# KiCad board SparkFun_BMV080_panelized.kicad_pcb (continued)
## Placement (name value [footprint] x y rotation side) (continued)
kibuzzard-66BFC108#14  G***  [kibuzzard-66BFC108]  87.71 37.8 90 bottom
kibuzzard-66BFC108#15  G***  [kibuzzard-66BFC108]  87.71 51 90 bottom
kibuzzard-66BFC108#16  G***  [kibuzzard-66BFC108]  38.45 64.2 90 bottom
kibuzzard-66BFC108#17  G***  [kibuzzard-66BFC108]  63.08 64.2 90 bottom
kibuzzard-66BFC108#18  G***  [kibuzzard-66BFC108]  38.45 90.6 90 bottom
kibuzzard-66BFC108#19  G***  [kibuzzard-66BFC108]  38.45 103.8 90 bottom
kibuzzard-66BFC108#20  G***  [kibuzzard-66BFC108]  38.45 117 90 bottom
kibuzzard-66BFC108#21  G***  [kibuzzard-66BFC108]  63.08 24.6 90 bottom
kibuzzard-66BFC108#22  G***  [kibuzzard-66BFC108]  38.45 77.4 90 bottom
kibuzzard-66BFC108#23  G***  [kibuzzard-66BFC108]  63.08 77.4 90 bottom
kibuzzard-66BFC108#24  G***  [kibuzzard-66BFC108]  63.08 51 90 bottom
kibuzzard-66BFC108#25  G***  [kibuzzard-66BFC108]  63.08 103.8 90 bottom
kibuzzard-66BFC108#26  G***  [kibuzzard-66BFC108]  87.71 11.4 90 bottom
kibuzzard-66BFC108#27  G***  [kibuzzard-66BFC108]  87.71 24.6 90 bottom
kibuzzard-66BFC108#28  G***  [kibuzzard-66BFC108]  63.08 11.4 90 bottom
kibuzzard-66BFC108#29  G***  [kibuzzard-66BFC108]  63.08 117 90 bottom
kibuzzard-66BFC108#30  G***  [kibuzzard-66BFC108]  38.45 51 90 bottom
kibuzzard-66BFC108#31  G***  [kibuzzard-66BFC108]  63.08 90.6 90 bottom
kibuzzard-66BFC108#32  G***  [kibuzzard-66BFC108]  87.71 117 90 bottom
kibuzzard-66BFC108#33  G***  [kibuzzard-66BFC108]  87.71 64.2 90 bottom
kibuzzard-66BFC108#34  G***  [kibuzzard-66BFC108]  87.71 103.8 90 bottom
kibuzzard-66BFC108#35  G***  [kibuzzard-66BFC108]  112.34 77.4 90 bottom
kibuzzard-66BFC108#36  G***  [kibuzzard-66BFC108]  136.97 64.2 90 bottom
kibuzzard-66BFC108#37  G***  [kibuzzard-66BFC108]  136.97 90.6 90 bottom
kibuzzard-66BFC108#38  G***  [kibuzzard-66BFC108]  112.34 90.6 90 bottom
kibuzzard-66BFC108#39  G***  [kibuzzard-66BFC108]  112.34 24.6 90 bottom
kibuzzard-66BFC108#40  G***  [kibuzzard-66BFC108]  112.34 64.2 90 bottom
kibuzzard-66BFC108#41  G***  [kibuzzard-66BFC108]  112.34 103.8 90 bottom
kibuzzard-66BFC108#42  G***  [kibuzzard-66BFC108]  112.34 117 90 bottom
kibuzzard-66BFC108#43  G***  [kibuzzard-66BFC108]  136.97 11.4 90 bottom
kibuzzard-66BFC108#44  G***  [kibuzzard-66BFC108]  87.71 90.6 90 bottom
kibuzzard-66BFC108#45  G***  [kibuzzard-66BFC108]  136.97 24.6 90 bottom
kibuzzard-66BFC108#46  G***  [kibuzzard-66BFC108]  112.34 11.4 90 bottom
kibuzzard-66BFC108#47  G***  [kibuzzard-66BFC108]  87.71 77.4 90 bottom
kibuzzard-66BFC108#48  G***  [kibuzzard-66BFC108]  112.34 37.8 90 bottom
kibuzzard-66BFC108#49  G***  [kibuzzard-66BFC108]  112.34 51 90 bottom
kibuzzard-66BFC108#50  G***  [kibuzzard-66BFC108]  136.97 37.8 90 bottom
kibuzzard-66BFC108#51  G***  [kibuzzard-66BFC108]  136.97 51 90 bottom
kibuzzard-66BFC108#52  G***  [kibuzzard-66BFC108]  136.97 77.4 90 bottom
kibuzzard-66BFC108#53  G***  [kibuzzard-66BFC108]  136.97 103.8 90 bottom
kibuzzard-66BFC108#54  G***  [kibuzzard-66BFC108]  136.97 117 90 bottom
kibuzzard-66BFC288  G***  [kibuzzard-66BFC288]  136.97 116.92 90 top
kibuzzard-66BFC288#2  G***  [kibuzzard-66BFC288]  136.97 77.32 90 top
kibuzzard-66BFC288#3  G***  [kibuzzard-66BFC288]  136.97 90.52 90 top
kibuzzard-66BFC288#4  G***  [kibuzzard-66BFC288]  136.97 103.72 90 top
kibuzzard-66BFC288#5  G***  [kibuzzard-66BFC288]  136.97 24.52 90 top
kibuzzard-66BFC288#6  G***  [kibuzzard-66BFC288]  136.97 37.72 90 top
kibuzzard-66BFC288#7  G***  [kibuzzard-66BFC288]  136.97 50.92 90 top
kibuzzard-66BFC288#8  G***  [kibuzzard-66BFC288]  136.97 11.32 90 top
kibuzzard-66BFC288#9  G***  [kibuzzard-66BFC288]  136.97 64.12 90 top
kibuzzard-66BFC288#10  G***  [kibuzzard-66BFC288]  13.82 90.52 90 top
kibuzzard-66BFC288#11  G***  [kibuzzard-66BFC288]  13.82 116.92 90 top
kibuzzard-66BFC288#12  G***  [kibuzzard-66BFC288]  38.45 64.12 90 top
kibuzzard-66BFC288#13  G***  [kibuzzard-66BFC288]  13.82 24.52 90 top
kibuzzard-66BFC288#14  G***  [kibuzzard-66BFC288]  13.82 50.92 90 top
kibuzzard-66BFC288#15  G***  [kibuzzard-66BFC288]  13.82 77.32 90 top
kibuzzard-66BFC288#16  G***  [kibuzzard-66BFC288]  13.82 37.72 90 top
kibuzzard-66BFC288#17  G***  [kibuzzard-66BFC288]  13.82 64.12 90 top
kibuzzard-66BFC288#18  G***  [kibuzzard-66BFC288]  13.82 103.72 90 top
kibuzzard-66BFC288#19  G***  [kibuzzard-66BFC288]  38.45 24.52 90 top
kibuzzard-66BFC288#20  G***  [kibuzzard-66BFC288]  38.45 37.72 90 top
kibuzzard-66BFC288#21  G***  [kibuzzard-66BFC288]  38.45 50.92 90 top
kibuzzard-66BFC288#22  G***  [kibuzzard-66BFC288]  38.45 11.32 90 top
kibuzzard-66BFC288#23  G***  [kibuzzard-66BFC288]  63.08 116.92 90 top
kibuzzard-66BFC288#24  G***  [kibuzzard-66BFC288]  87.71 37.72 90 top
kibuzzard-66BFC288#25  G***  [kibuzzard-66BFC288]  87.71 11.32 90 top
kibuzzard-66BFC288#26  G***  [kibuzzard-66BFC288]  87.71 90.52 90 top
kibuzzard-66BFC288#27  G***  [kibuzzard-66BFC288]  38.45 77.32 90 top
kibuzzard-66BFC288#28  G***  [kibuzzard-66BFC288]  87.71 77.32 90 top
kibuzzard-66BFC288#29  G***  [kibuzzard-66BFC288]  112.34 11.32 90 top
kibuzzard-66BFC288#30  G***  [kibuzzard-66BFC288]  63.08 11.32 90 top
kibuzzard-66BFC288#31  G***  [kibuzzard-66BFC288]  63.08 90.52 90 top
kibuzzard-66BFC288#32  G***  [kibuzzard-66BFC288]  38.45 103.72 90 top
kibuzzard-66BFC288#33  G***  [kibuzzard-66BFC288]  63.08 37.72 90 top
kibuzzard-66BFC288#34  G***  [kibuzzard-66BFC288]  63.08 50.92 90 top
kibuzzard-66BFC288#35  G***  [kibuzzard-66BFC288]  38.45 90.52 90 top
kibuzzard-66BFC288#36  G***  [kibuzzard-66BFC288]  38.45 116.92 90 top
kibuzzard-66BFC288#37  G***  [kibuzzard-66BFC288]  63.08 64.12 90 top
kibuzzard-66BFC288#38  G***  [kibuzzard-66BFC288]  63.08 103.72 90 top
kibuzzard-66BFC288#39  G***  [kibuzzard-66BFC288]  63.08 24.52 90 top
kibuzzard-66BFC288#40  G***  [kibuzzard-66BFC288]  63.08 77.32 90 top
kibuzzard-66BFC288#41  G***  [kibuzzard-66BFC288]  87.71 24.52 90 top
kibuzzard-66BFC288#42  G***  [kibuzzard-66BFC288]  87.71 50.92 90 top
kibuzzard-66BFC288#43  G***  [kibuzzard-66BFC288]  87.71 64.12 90 top
kibuzzard-66BFC288#44  G***  [kibuzzard-66BFC288]  87.71 103.72 90 top
kibuzzard-66BFC288#45  G***  [kibuzzard-66BFC288]  87.71 116.92 90 top
kibuzzard-66BFC288#46  G***  [kibuzzard-66BFC288]  112.34 90.52 90 top
kibuzzard-66BFC288#47  G***  [kibuzzard-66BFC288]  112.34 37.72 90 top
kibuzzard-66BFC288#48  G***  [kibuzzard-66BFC288]  112.34 64.12 90 top
kibuzzard-66BFC288#49  G***  [kibuzzard-66BFC288]  112.34 24.52 90 top
kibuzzard-66BFC288#50  G***  [kibuzzard-66BFC288]  112.34 103.72 90 top
kibuzzard-66BFC288#51  G***  [kibuzzard-66BFC288]  112.34 116.92 90 top
kibuzzard-66BFC288#52  G***  [kibuzzard-66BFC288]  112.34 50.92 90 top
kibuzzard-66BFC288#53  G***  [kibuzzard-66BFC288]  112.34 77.32 90 top
kibuzzard-66BFC288#54  G***  [kibuzzard-66BFC288]  13.82 11.32 90 top
kibuzzard-66C3B2A1  G***  [kibuzzard-66C3B2A1]  18.71 18.63 180 bottom
kibuzzard-66C3B2A1#2  G***  [kibuzzard-66C3B2A1]  18.71 45.03 180 bottom
kibuzzard-66C3B2A1#3  G***  [kibuzzard-66C3B2A1]  18.71 31.83 180 bottom
kibuzzard-66C3B2A1#4  G***  [kibuzzard-66C3B2A1]  18.71 97.83 180 bottom
kibuzzard-66C3B2A1#5  G***  [kibuzzard-66C3B2A1]  18.71 111.03 180 bottom
kibuzzard-66C3B2A1#6  G***  [kibuzzard-66C3B2A1]  43.34 18.63 180 bottom
kibuzzard-66C3B2A1#7  G***  [kibuzzard-66C3B2A1]  43.34 31.83 180 bottom
kibuzzard-66C3B2A1#8  G***  [kibuzzard-66C3B2A1]  18.71 124.23 180 bottom
kibuzzard-66C3B2A1#9  G***  [kibuzzard-66C3B2A1]  43.34 45.03 180 bottom
kibuzzard-66C3B2A1#10  G***  [kibuzzard-66C3B2A1]  18.71 58.23 180 bottom
kibuzzard-66C3B2A1#11  G***  [kibuzzard-66C3B2A1]  18.71 71.43 180 bottom
kibuzzard-66C3B2A1#12  G***  [kibuzzard-66C3B2A1]  18.71 84.63 180 bottom
kibuzzard-66C3B2A1#13  G***  [kibuzzard-66C3B2A1]  43.34 58.23 180 bottom
kibuzzard-66C3B2A1#14  G***  [kibuzzard-66C3B2A1]  92.6 58.23 180 bottom
kibuzzard-66C3B2A1#15  G***  [kibuzzard-66C3B2A1]  43.34 124.23 180 bottom
kibuzzard-66C3B2A1#16  G***  [kibuzzard-66C3B2A1]  43.34 97.83 180 bottom
kibuzzard-66C3B2A1#17  G***  [kibuzzard-66C3B2A1]  67.97 45.03 180 bottom
kibuzzard-66C3B2A1#18  G***  [kibuzzard-66C3B2A1]  67.97 18.63 180 bottom
kibuzzard-66C3B2A1#19  G***  [kibuzzard-66C3B2A1]  43.34 84.63 180 bottom
kibuzzard-66C3B2A1#20  G***  [kibuzzard-66C3B2A1]  67.97 58.23 180 bottom
kibuzzard-66C3B2A1#21  G***  [kibuzzard-66C3B2A1]  67.97 124.23 180 bottom
kibuzzard-66C3B2A1#22  G***  [kibuzzard-66C3B2A1]  67.97 31.83 180 bottom
kibuzzard-66C3B2A1#23  G***  [kibuzzard-66C3B2A1]  67.97 71.43 180 bottom
kibuzzard-66C3B2A1#24  G***  [kibuzzard-66C3B2A1]  67.97 84.63 180 bottom
kibuzzard-66C3B2A1#25  G***  [kibuzzard-66C3B2A1]  92.6 31.83 180 bottom
kibuzzard-66C3B2A1#26  G***  [kibuzzard-66C3B2A1]  92.6 45.03 180 bottom
kibuzzard-66C3B2A1#27  G***  [kibuzzard-66C3B2A1]  67.97 97.83 180 bottom
kibuzzard-66C3B2A1#28  G***  [kibuzzard-66C3B2A1]  43.34 111.03 180 bottom
kibuzzard-66C3B2A1#29  G***  [kibuzzard-66C3B2A1]  92.6 18.63 180 bottom
kibuzzard-66C3B2A1#30  G***  [kibuzzard-66C3B2A1]  43.34 71.43 180 bottom
kibuzzard-66C3B2A1#31  G***  [kibuzzard-66C3B2A1]  67.97 111.03 180 bottom
kibuzzard-66C3B2A1#32  G***  [kibuzzard-66C3B2A1]  117.23 18.63 180 bottom
kibuzzard-66C3B2A1#33  G***  [kibuzzard-66C3B2A1]  141.86 58.23 180 bottom
kibuzzard-66C3B2A1#34  G***  [kibuzzard-66C3B2A1]  141.86 45.03 180 bottom
kibuzzard-66C3B2A1#35  G***  [kibuzzard-66C3B2A1]  141.86 97.83 180 bottom
kibuzzard-66C3B2A1#36  G***  [kibuzzard-66C3B2A1]  117.23 97.83 180 bottom
kibuzzard-66C3B2A1#37  G***  [kibuzzard-66C3B2A1]  92.6 97.83 180 bottom
kibuzzard-66C3B2A1#38  G***  [kibuzzard-66C3B2A1]  117.23 31.83 180 bottom
kibuzzard-66C3B2A1#39  G***  [kibuzzard-66C3B2A1]  92.6 111.03 180 bottom
kibuzzard-66C3B2A1#40  G***  [kibuzzard-66C3B2A1]  92.6 84.63 180 bottom
kibuzzard-66C3B2A1#41  G***  [kibuzzard-66C3B2A1]  117.23 58.23 180 bottom
kibuzzard-66C3B2A1#42  G***  [kibuzzard-66C3B2A1]  117.23 45.03 180 bottom
kibuzzard-66C3B2A1#43  G***  [kibuzzard-66C3B2A1]  117.23 71.43 180 bottom
kibuzzard-66C3B2A1#44  G***  [kibuzzard-66C3B2A1]  117.23 84.63 180 bottom
kibuzzard-66C3B2A1#45  G***  [kibuzzard-66C3B2A1]  117.23 124.23 180 bottom
kibuzzard-66C3B2A1#46  G***  [kibuzzard-66C3B2A1]  117.23 111.03 180 bottom
kibuzzard-66C3B2A1#47  G***  [kibuzzard-66C3B2A1]  141.86 18.63 180 bottom
kibuzzard-66C3B2A1#48  G***  [kibuzzard-66C3B2A1]  92.6 124.23 180 bottom
kibuzzard-66C3B2A1#49  G***  [kibuzzard-66C3B2A1]  92.6 71.43 180 bottom
kibuzzard-66C3B2A1#50  G***  [kibuzzard-66C3B2A1]  141.86 31.83 180 bottom
kibuzzard-66C3B2A1#51  G***  [kibuzzard-66C3B2A1]  141.86 71.43 180 bottom
kibuzzard-66C3B2A1#52  G***  [kibuzzard-66C3B2A1]  141.86 84.63 180 bottom
kibuzzard-66C3B2A1#53  G***  [kibuzzard-66C3B2A1]  141.86 124.23 180 bottom
kibuzzard-66C3B2A1#54  G***  [kibuzzard-66C3B2A1]  141.86 111.03 180 bottom
kibuzzard-66C3B2DA  G***  [kibuzzard-66C3B2DA]  15.49 15.32 180 bottom
kibuzzard-66C3B2DA#2  G***  [kibuzzard-66C3B2DA]  15.49 41.72 180 bottom
kibuzzard-66C3B2DA#3  G***  [kibuzzard-66C3B2DA]  15.49 54.92 180 bottom
kibuzzard-66C3B2DA#4  G***  [kibuzzard-66C3B2DA]  40.12 54.92 180 bottom
kibuzzard-66C3B2DA#5  G***  [kibuzzard-66C3B2DA]  15.49 28.52 180 bottom
kibuzzard-66C3B2DA#6  G***  [kibuzzard-66C3B2DA]  15.49 68.12 180 bottom
kibuzzard-66C3B2DA#7  G***  [kibuzzard-66C3B2DA]  15.49 81.32 180 bottom
kibuzzard-66C3B2DA#8  G***  [kibuzzard-66C3B2DA]  15.49 94.52 180 bottom
kibuzzard-66C3B2DA#9  G***  [kibuzzard-66C3B2DA]  15.49 107.72 180 bottom
kibuzzard-66C3B2DA#10  G***  [kibuzzard-66C3B2DA]  15.49 120.92 180 bottom
kibuzzard-66C3B2DA#11  G***  [kibuzzard-66C3B2DA]  40.12 15.32 180 bottom
kibuzzard-66C3B2DA#12  G***  [kibuzzard-66C3B2DA]  40.12 28.52 180 bottom
kibuzzard-66C3B2DA#13  G***  [kibuzzard-66C3B2DA]  40.12 41.72 180 bottom
kibuzzard-66C3B2DA#14  G***  [kibuzzard-66C3B2DA]  64.75 107.72 180 bottom
kibuzzard-66C3B2DA#15  G***  [kibuzzard-66C3B2DA]  89.38 68.12 180 bottom
kibuzzard-66C3B2DA#16  G***  [kibuzzard-66C3B2DA]  64.75 94.52 180 bottom
kibuzzard-66C3B2DA#17  G***  [kibuzzard-66C3B2DA]  89.38 28.52 180 bottom
kibuzzard-66C3B2DA#18  G***  [kibuzzard-66C3B2DA]  64.75 28.52 180 bottom
kibuzzard-66C3B2DA#19  G***  [kibuzzard-66C3B2DA]  40.12 94.52 180 bottom
kibuzzard-66C3B2DA#20  G***  [kibuzzard-66C3B2DA]  64.75 54.92 180 bottom
kibuzzard-66C3B2DA#21  G***  [kibuzzard-66C3B2DA]  64.75 120.92 180 bottom
kibuzzard-66C3B2DA#22  G***  [kibuzzard-66C3B2DA]  40.12 68.12 180 bottom
kibuzzard-66C3B2DA#23  G***  [kibuzzard-66C3B2DA]  40.12 81.32 180 bottom
kibuzzard-66C3B2DA#24  G***  [kibuzzard-66C3B2DA]  64.75 15.32 180 bottom
kibuzzard-66C3B2DA#25  G***  [kibuzzard-66C3B2DA]  89.38 15.32 180 bottom
kibuzzard-66C3B2DA#26  G***  [kibuzzard-66C3B2DA]  89.38 54.92 180 bottom
kibuzzard-66C3B2DA#27  G***  [kibuzzard-66C3B2DA]  64.75 68.12 180 bottom
kibuzzard-66C3B2DA#28  G***  [kibuzzard-66C3B2DA]  40.12 107.72 180 bottom
kibuzzard-66C3B2DA#29  G***  [kibuzzard-66C3B2DA]  40.12 120.92 180 bottom
kibuzzard-66C3B2DA#30  G***  [kibuzzard-66C3B2DA]  64.75 81.32 180 bottom
kibuzzard-66C3B2DA#31  G***  [kibuzzard-66C3B2DA]  64.75 41.72 180 bottom
kibuzzard-66C3B2DA#32  G***  [kibuzzard-66C3B2DA]  89.38 41.72 180 bottom
kibuzzard-66C3B2DA#33  G***  [kibuzzard-66C3B2DA]  89.38 94.52 180 bottom
kibuzzard-66C3B2DA#34  G***  [kibuzzard-66C3B2DA]  114.01 107.72 180 bottom
kibuzzard-66C3B2DA#35  G***  [kibuzzard-66C3B2DA]  114.01 68.12 180 bottom
kibuzzard-66C3B2DA#36  G***  [kibuzzard-66C3B2DA]  138.64 15.32 180 bottom
kibuzzard-66C3B2DA#37  G***  [kibuzzard-66C3B2DA]  114.01 15.32 180 bottom
kibuzzard-66C3B2DA#38  G***  [kibuzzard-66C3B2DA]  114.01 120.92 180 bottom
kibuzzard-66C3B2DA#39  G***  [kibuzzard-66C3B2DA]  89.38 107.72 180 bottom
kibuzzard-66C3B2DA#40  G***  [kibuzzard-66C3B2DA]  89.38 120.92 180 bottom
kibuzzard-66C3B2DA#41  G***  [kibuzzard-66C3B2DA]  138.64 28.52 180 bottom
kibuzzard-66C3B2DA#42  G***  [kibuzzard-66C3B2DA]  138.64 94.52 180 bottom
kibuzzard-66C3B2DA#43  G***  [kibuzzard-66C3B2DA]  89.38 81.32 180 bottom
kibuzzard-66C3B2DA#44  G***  [kibuzzard-66C3B2DA]  114.01 94.52 180 bottom
kibuzzard-66C3B2DA#45  G***  [kibuzzard-66C3B2DA]  114.01 41.72 180 bottom
kibuzzard-66C3B2DA#46  G***  [kibuzzard-66C3B2DA]  138.64 41.72 180 bottom
kibuzzard-66C3B2DA#47  G***  [kibuzzard-66C3B2DA]  138.64 54.92 180 bottom
kibuzzard-66C3B2DA#48  G***  [kibuzzard-66C3B2DA]  114.01 28.52 180 bottom
kibuzzard-66C3B2DA#49  G***  [kibuzzard-66C3B2DA]  114.01 54.92 180 bottom
kibuzzard-66C3B2DA#50  G***  [kibuzzard-66C3B2DA]  114.01 81.32 180 bottom
kibuzzard-66C3B2DA#51  G***  [kibuzzard-66C3B2DA]  138.64 68.12 180 bottom
kibuzzard-66C3B2DA#52  G***  [kibuzzard-66C3B2DA]  138.64 81.32 180 bottom
kibuzzard-66C3B2DA#53  G***  [kibuzzard-66C3B2DA]  138.64 107.72 180 bottom
kibuzzard-66C3B2DA#54  G***  [kibuzzard-66C3B2DA]  138.64 120.92 180 bottom
kibuzzard-66C3B2FA  G***  [kibuzzard-66C3B2FA]  30.03 8.76 270 bottom
kibuzzard-66C3B2FA#2  G***  [kibuzzard-66C3B2FA]  79.29 8.76 270 bottom
kibuzzard-66C3B2FA#3  G***  [kibuzzard-66C3B2FA]  54.66 48.36 270 bottom
kibuzzard-66C3B2FA#4  G***  [kibuzzard-66C3B2FA]  30.03 101.16 270 bottom
kibuzzard-66C3B2FA#5  G***  [kibuzzard-66C3B2FA]  30.03 87.96 270 bottom
kibuzzard-66C3B2FA#6  G***  [kibuzzard-66C3B2FA]  30.03 114.36 270 bottom
kibuzzard-66C3B2FA#7  G***  [kibuzzard-66C3B2FA]  54.66 114.36 270 bottom
kibuzzard-66C3B2FA#8  G***  [kibuzzard-66C3B2FA]  30.03 48.36 270 bottom
kibuzzard-66C3B2FA#9  G***  [kibuzzard-66C3B2FA]  30.03 61.56 270 bottom
kibuzzard-66C3B2FA#10  G***  [kibuzzard-66C3B2FA]  54.66 8.76 270 bottom
kibuzzard-66C3B2FA#11  G***  [kibuzzard-66C3B2FA]  30.03 21.96 270 bottom
kibuzzard-66C3B2FA#12  G***  [kibuzzard-66C3B2FA]  30.03 35.16 270 bottom
kibuzzard-66C3B2FA#13  G***  [kibuzzard-66C3B2FA]  30.03 74.76 270 bottom
kibuzzard-66C3B2FA#14  G***  [kibuzzard-66C3B2FA]  54.66 35.16 270 bottom
kibuzzard-66C3B2FA#15  G***  [kibuzzard-66C3B2FA]  54.66 74.76 270 bottom
kibuzzard-66C3B2FA#16  G***  [kibuzzard-66C3B2FA]  54.66 87.96 270 bottom
kibuzzard-66C3B2FA#17  G***  [kibuzzard-66C3B2FA]  54.66 21.96 270 bottom
kibuzzard-66C3B2FA#18  G***  [kibuzzard-66C3B2FA]  54.66 61.56 270 bottom
kibuzzard-66C3B2FA#19  G***  [kibuzzard-66C3B2FA]  54.66 101.16 270 bottom
kibuzzard-66C3B2FA#20  G***  [kibuzzard-66C3B2FA]  79.29 35.16 270 bottom
kibuzzard-66C3B2FA#21  G***  [kibuzzard-66C3B2FA]  103.92 35.16 270 bottom
kibuzzard-66C3B2FA#22  G***  [kibuzzard-66C3B2FA]  79.29 74.76 270 bottom
kibuzzard-66C3B2FA#23  G***  [kibuzzard-66C3B2FA]  103.92 48.36 270 bottom
kibuzzard-66C3B2FA#24  G***  [kibuzzard-66C3B2FA]  103.92 61.56 270 bottom
kibuzzard-66C3B2FA#25  G***  [kibuzzard-66C3B2FA]  128.55 21.96 270 bottom
kibuzzard-66C3B2FA#26  G***  [kibuzzard-66C3B2FA]  128.55 48.36 270 bottom
kibuzzard-66C3B2FA#27  G***  [kibuzzard-66C3B2FA]  128.55 101.16 270 bottom
kibuzzard-66C3B2FA#28  G***  [kibuzzard-66C3B2FA]  79.29 61.56 270 bottom
kibuzzard-66C3B2FA#29  G***  [kibuzzard-66C3B2FA]  79.29 87.96 270 bottom
kibuzzard-66C3B2FA#30  G***  [kibuzzard-66C3B2FA]  103.92 21.96 270 bottom
kibuzzard-66C3B2FA#31  G***  [kibuzzard-66C3B2FA]  128.55 74.76 270 bottom
kibuzzard-66C3B2FA#32  G***  [kibuzzard-66C3B2FA]  103.92 74.76 270 bottom
kibuzzard-66C3B2FA#33  G***  [kibuzzard-66C3B2FA]  79.29 21.96 270 bottom
kibuzzard-66C3B2FA#34  G***  [kibuzzard-66C3B2FA]  79.29 114.36 270 bottom
kibuzzard-66C3B2FA#35  G***  [kibuzzard-66C3B2FA]  128.55 87.96 270 bottom
kibuzzard-66C3B2FA#36  G***  [kibuzzard-66C3B2FA]  79.29 48.36 270 bottom
kibuzzard-66C3B2FA#37  G***  [kibuzzard-66C3B2FA]  79.29 101.16 270 bottom
kibuzzard-66C3B2FA#38  G***  [kibuzzard-66C3B2FA]  103.92 8.76 270 bottom
kibuzzard-66C3B2FA#39  G***  [kibuzzard-66C3B2FA]  103.92 101.16 270 bottom
kibuzzard-66C3B2FA#40  G***  [kibuzzard-66C3B2FA]  103.92 87.96 270 bottom
kibuzzard-66C3B2FA#41  G***  [kibuzzard-66C3B2FA]  103.92 114.36 270 bottom
kibuzzard-66C3B2FA#42  G***  [kibuzzard-66C3B2FA]  128.55 8.76 270 bottom
kibuzzard-66C3B2FA#43  G***  [kibuzzard-66C3B2FA]  128.55 35.16 270 bottom
kibuzzard-66C3B2FA#44  G***  [kibuzzard-66C3B2FA]  128.55 61.56 270 bottom
kibuzzard-66C3B2FA#45  G***  [kibuzzard-66C3B2FA]  153.18 101.16 270 bottom
kibuzzard-66C3B2FA#46  G***  [kibuzzard-66C3B2FA]  153.18 21.96 270 bottom
kibuzzard-66C3B2FA#47  G***  [kibuzzard-66C3B2FA]  128.55 114.36 270 bottom
kibuzzard-66C3B2FA#48  G***  [kibuzzard-66C3B2FA]  153.18 74.76 270 bottom
kibuzzard-66C3B2FA#49  G***  [kibuzzard-66C3B2FA]  153.18 61.56 270 bottom
kibuzzard-66C3B2FA#50  G***  [kibuzzard-66C3B2FA]  153.18 8.76 270 bottom
kibuzzard-66C3B2FA#51  G***  [kibuzzard-66C3B2FA]  153.18 35.16 270 bottom
kibuzzard-66C3B2FA#52  G***  [kibuzzard-66C3B2FA]  153.18 48.36 270 bottom
kibuzzard-66C3B2FA#53  G***  [kibuzzard-66C3B2FA]  153.18 87.96 270 bottom
kibuzzard-66C3B2FA#54  G***  [kibuzzard-66C3B2FA]  153.18 114.36 270 bottom
kibuzzard-66C3B2FA#55  G***  [kibuzzard-66C3B2FA]  17.33 14.13 180 bottom
kibuzzard-66C3B2FA#56  G***  [kibuzzard-66C3B2FA]  17.33 53.73 180 bottom
kibuzzard-66C3B2FA#57  G***  [kibuzzard-66C3B2FA]  17.33 80.13 180 bottom
kibuzzard-66C3B2FA#58  G***  [kibuzzard-66C3B2FA]  17.33 27.33 180 bottom
kibuzzard-66C3B2FA#59  G***  [kibuzzard-66C3B2FA]  17.33 40.53 180 bottom
kibuzzard-66C3B2FA#60  G***  [kibuzzard-66C3B2FA]  17.33 66.93 180 bottom
kibuzzard-66C3B2FA#61  G***  [kibuzzard-66C3B2FA]  17.33 93.33 180 bottom
kibuzzard-66C3B2FA#62  G***  [kibuzzard-66C3B2FA]  41.96 66.93 180 bottom
kibuzzard-66C3B2FA#63  G***  [kibuzzard-66C3B2FA]  41.96 80.13 180 bottom
kibuzzard-66C3B2FA#64  G***  [kibuzzard-66C3B2FA]  17.33 106.53 180 bottom
kibuzzard-66C3B2FA#65  G***  [kibuzzard-66C3B2FA]  17.33 119.73 180 bottom
kibuzzard-66C3B2FA#66  G***  [kibuzzard-66C3B2FA]  41.96 93.33 180 bottom
kibuzzard-66C3B2FA#67  G***  [kibuzzard-66C3B2FA]  41.96 106.53 180 bottom
kibuzzard-66C3B2FA#68  G***  [kibuzzard-66C3B2FA]  41.96 40.53 180 bottom
kibuzzard-66C3B2FA#69  G***  [kibuzzard-66C3B2FA]  66.59 14.13 180 bottom
kibuzzard-66C3B2FA#70  G***  [kibuzzard-66C3B2FA]  66.59 27.33 180 bottom
kibuzzard-66C3B2FA#71  G***  [kibuzzard-66C3B2FA]  41.96 14.13 180 bottom
kibuzzard-66C3B2FA#72  G***  [kibuzzard-66C3B2FA]  41.96 27.33 180 bottom
kibuzzard-66C3B2FA#73  G***  [kibuzzard-66C3B2FA]  41.96 53.73 180 bottom
kibuzzard-66C3B2FA#74  G***  [kibuzzard-66C3B2FA]  41.96 119.73 180 bottom
kibuzzard-66C3B2FA#75  G***  [kibuzzard-66C3B2FA]  66.59 40.53 180 bottom
kibuzzard-66C3B2FA#76  G***  [kibuzzard-66C3B2FA]  66.59 53.73 180 bottom
kibuzzard-66C3B2FA#77  G***  [kibuzzard-66C3B2FA]  66.59 106.53 180 bottom
kibuzzard-66C3B2FA#78  G***  [kibuzzard-66C3B2FA]  115.85 66.93 180 bottom
kibuzzard-66C3B2FA#79  G***  [kibuzzard-66C3B2FA]  91.22 53.73 180 bottom
kibuzzard-66C3B2FA#80  G***  [kibuzzard-66C3B2FA]  115.85 27.33 180 bottom
kibuzzard-66C3B2FA#81  G***  [kibuzzard-66C3B2FA]  66.59 66.93 180 bottom
kibuzzard-66C3B2FA#82  G***  [kibuzzard-66C3B2FA]  91.22 27.33 180 bottom
kibuzzard-66C3B2FA#83  G***  [kibuzzard-66C3B2FA]  91.22 93.33 180 bottom
kibuzzard-66C3B2FA#84  G***  [kibuzzard-66C3B2FA]  66.59 80.13 180 bottom
kibuzzard-66C3B2FA#85  G***  [kibuzzard-66C3B2FA]  91.22 106.53 180 bottom
kibuzzard-66C3B2FA#86  G***  [kibuzzard-66C3B2FA]  115.85 53.73 180 bottom
kibuzzard-66C3B2FA#87  G***  [kibuzzard-66C3B2FA]  66.59 93.33 180 bottom
kibuzzard-66C3B2FA#88  G***  [kibuzzard-66C3B2FA]  91.22 14.13 180 bottom
kibuzzard-66C3B2FA#89  G***  [kibuzzard-66C3B2FA]  91.22 66.93 180 bottom
kibuzzard-66C3B2FA#90  G***  [kibuzzard-66C3B2FA]  66.59 119.73 180 bottom
kibuzzard-66C3B2FA#91  G***  [kibuzzard-66C3B2FA]  91.22 40.53 180 bottom
kibuzzard-66C3B2FA#92  G***  [kibuzzard-66C3B2FA]  91.22 80.13 180 bottom
kibuzzard-66C3B2FA#93  G***  [kibuzzard-66C3B2FA]  91.22 119.73 180 bottom
kibuzzard-66C3B2FA#94  G***  [kibuzzard-66C3B2FA]  115.85 14.13 180 bottom
kibuzzard-66C3B2FA#95  G***  [kibuzzard-66C3B2FA]  115.85 40.53 180 bottom
kibuzzard-66C3B2FA#96  G***  [kibuzzard-66C3B2FA]  140.48 80.13 180 bottom
kibuzzard-66C3B2FA#97  G***  [kibuzzard-66C3B2FA]  140.48 106.53 180 bottom
kibuzzard-66C3B2FA#98  G***  [kibuzzard-66C3B2FA]  140.48 66.93 180 bottom
kibuzzard-66C3B2FA#99  G***  [kibuzzard-66C3B2FA]  115.85 80.13 180 bottom
kibuzzard-66C3B2FA#100  G***  [kibuzzard-66C3B2FA]  140.48 27.33 180 bottom
kibuzzard-66C3B2FA#101  G***  [kibuzzard-66C3B2FA]  115.85 119.73 180 bottom
kibuzzard-66C3B2FA#102  G***  [kibuzzard-66C3B2FA]  115.85 93.33 180 bottom
kibuzzard-66C3B2FA#103  G***  [kibuzzard-66C3B2FA]  140.48 40.53 180 bottom
kibuzzard-66C3B2FA#104  G***  [kibuzzard-66C3B2FA]  140.48 14.13 180 bottom
kibuzzard-66C3B2FA#105  G***  [kibuzzard-66C3B2FA]  140.48 93.33 180 bottom
kibuzzard-66C3B2FA#106  G***  [kibuzzard-66C3B2FA]  140.48 119.73 180 bottom
kibuzzard-66C3B2FA#107  G***  [kibuzzard-66C3B2FA]  115.85 106.53 180 bottom
kibuzzard-66C3B2FA#108  G***  [kibuzzard-66C3B2FA]  140.48 53.73 180 bottom
kibuzzard-66C3B3B1  G***  [kibuzzard-66C3B3B1]  16.78 17.24 90 bottom
kibuzzard-66C3B3B1#2  G***  [kibuzzard-66C3B3B1]  16.78 122.84 90 bottom
kibuzzard-66C3B3B1#3  G***  [kibuzzard-66C3B3B1]  41.41 122.84 90 bottom
kibuzzard-66C3B3B1#4  G***  [kibuzzard-66C3B3B1]  16.78 56.84 90 bottom
kibuzzard-66C3B3B1#5  G***  [kibuzzard-66C3B3B1]  16.78 43.64 90 bottom
kibuzzard-66C3B3B1#6  G***  [kibuzzard-66C3B3B1]  66.04 17.24 90 bottom
kibuzzard-66C3B3B1#7  G***  [kibuzzard-66C3B3B1]  41.41 56.84 90 bottom
kibuzzard-66C3B3B1#8  G***  [kibuzzard-66C3B3B1]  41.41 70.04 90 bottom
kibuzzard-66C3B3B1#9  G***  [kibuzzard-66C3B3B1]  16.78 70.04 90 bottom
kibuzzard-66C3B3B1#10  G***  [kibuzzard-66C3B3B1]  16.78 30.44 90 bottom
kibuzzard-66C3B3B1#11  G***  [kibuzzard-66C3B3B1]  16.78 96.44 90 bottom
kibuzzard-66C3B3B1#12  G***  [kibuzzard-66C3B3B1]  41.41 17.24 90 bottom
kibuzzard-66C3B3B1#13  G***  [kibuzzard-66C3B3B1]  41.41 43.64 90 bottom
kibuzzard-66C3B3B1#14  G***  [kibuzzard-66C3B3B1]  41.41 96.44 90 bottom
kibuzzard-66C3B3B1#15  G***  [kibuzzard-66C3B3B1]  41.41 83.24 90 bottom
kibuzzard-66C3B3B1#16  G***  [kibuzzard-66C3B3B1]  16.78 83.24 90 bottom
kibuzzard-66C3B3B1#17  G***  [kibuzzard-66C3B3B1]  16.78 109.64 90 bottom
kibuzzard-66C3B3B1#18  G***  [kibuzzard-66C3B3B1]  41.41 30.44 90 bottom
kibuzzard-66C3B3B1#19  G***  [kibuzzard-66C3B3B1]  41.41 109.64 90 bottom
kibuzzard-66C3B3B1#20  G***  [kibuzzard-66C3B3B1]  90.67 96.44 90 bottom
kibuzzard-66C3B3B1#21  G***  [kibuzzard-66C3B3B1]  115.3 17.24 90 bottom
kibuzzard-66C3B3B1#22  G***  [kibuzzard-66C3B3B1]  66.04 96.44 90 bottom
kibuzzard-66C3B3B1#23  G***  [kibuzzard-66C3B3B1]  66.04 56.84 90 bottom
kibuzzard-66C3B3B1#24  G***  [kibuzzard-66C3B3B1]  66.04 70.04 90 bottom
kibuzzard-66C3B3B1#25  G***  [kibuzzard-66C3B3B1]  66.04 30.44 90 bottom
kibuzzard-66C3B3B1#26  G***  [kibuzzard-66C3B3B1]  66.04 83.24 90 bottom
kibuzzard-66C3B3B1#27  G***  [kibuzzard-66C3B3B1]  90.67 109.64 90 bottom
kibuzzard-66C3B3B1#28  G***  [kibuzzard-66C3B3B1]  90.67 83.24 90 bottom